# Altium PCB Velvet_Controller_V1.2_2023.PcbDoc (part 1 of 4)
Units mm, origin at the board's own origin, x right, y up, seen from the top; angles counter-clockwise.
Board outline 215.4 x 111.4 mm, 4 copper layers (Top Layer, INT1, INT2, Bottom Layer), stack 1.46 mm thick; 362 components, 218 nets, 1223 pads, 730 vias.
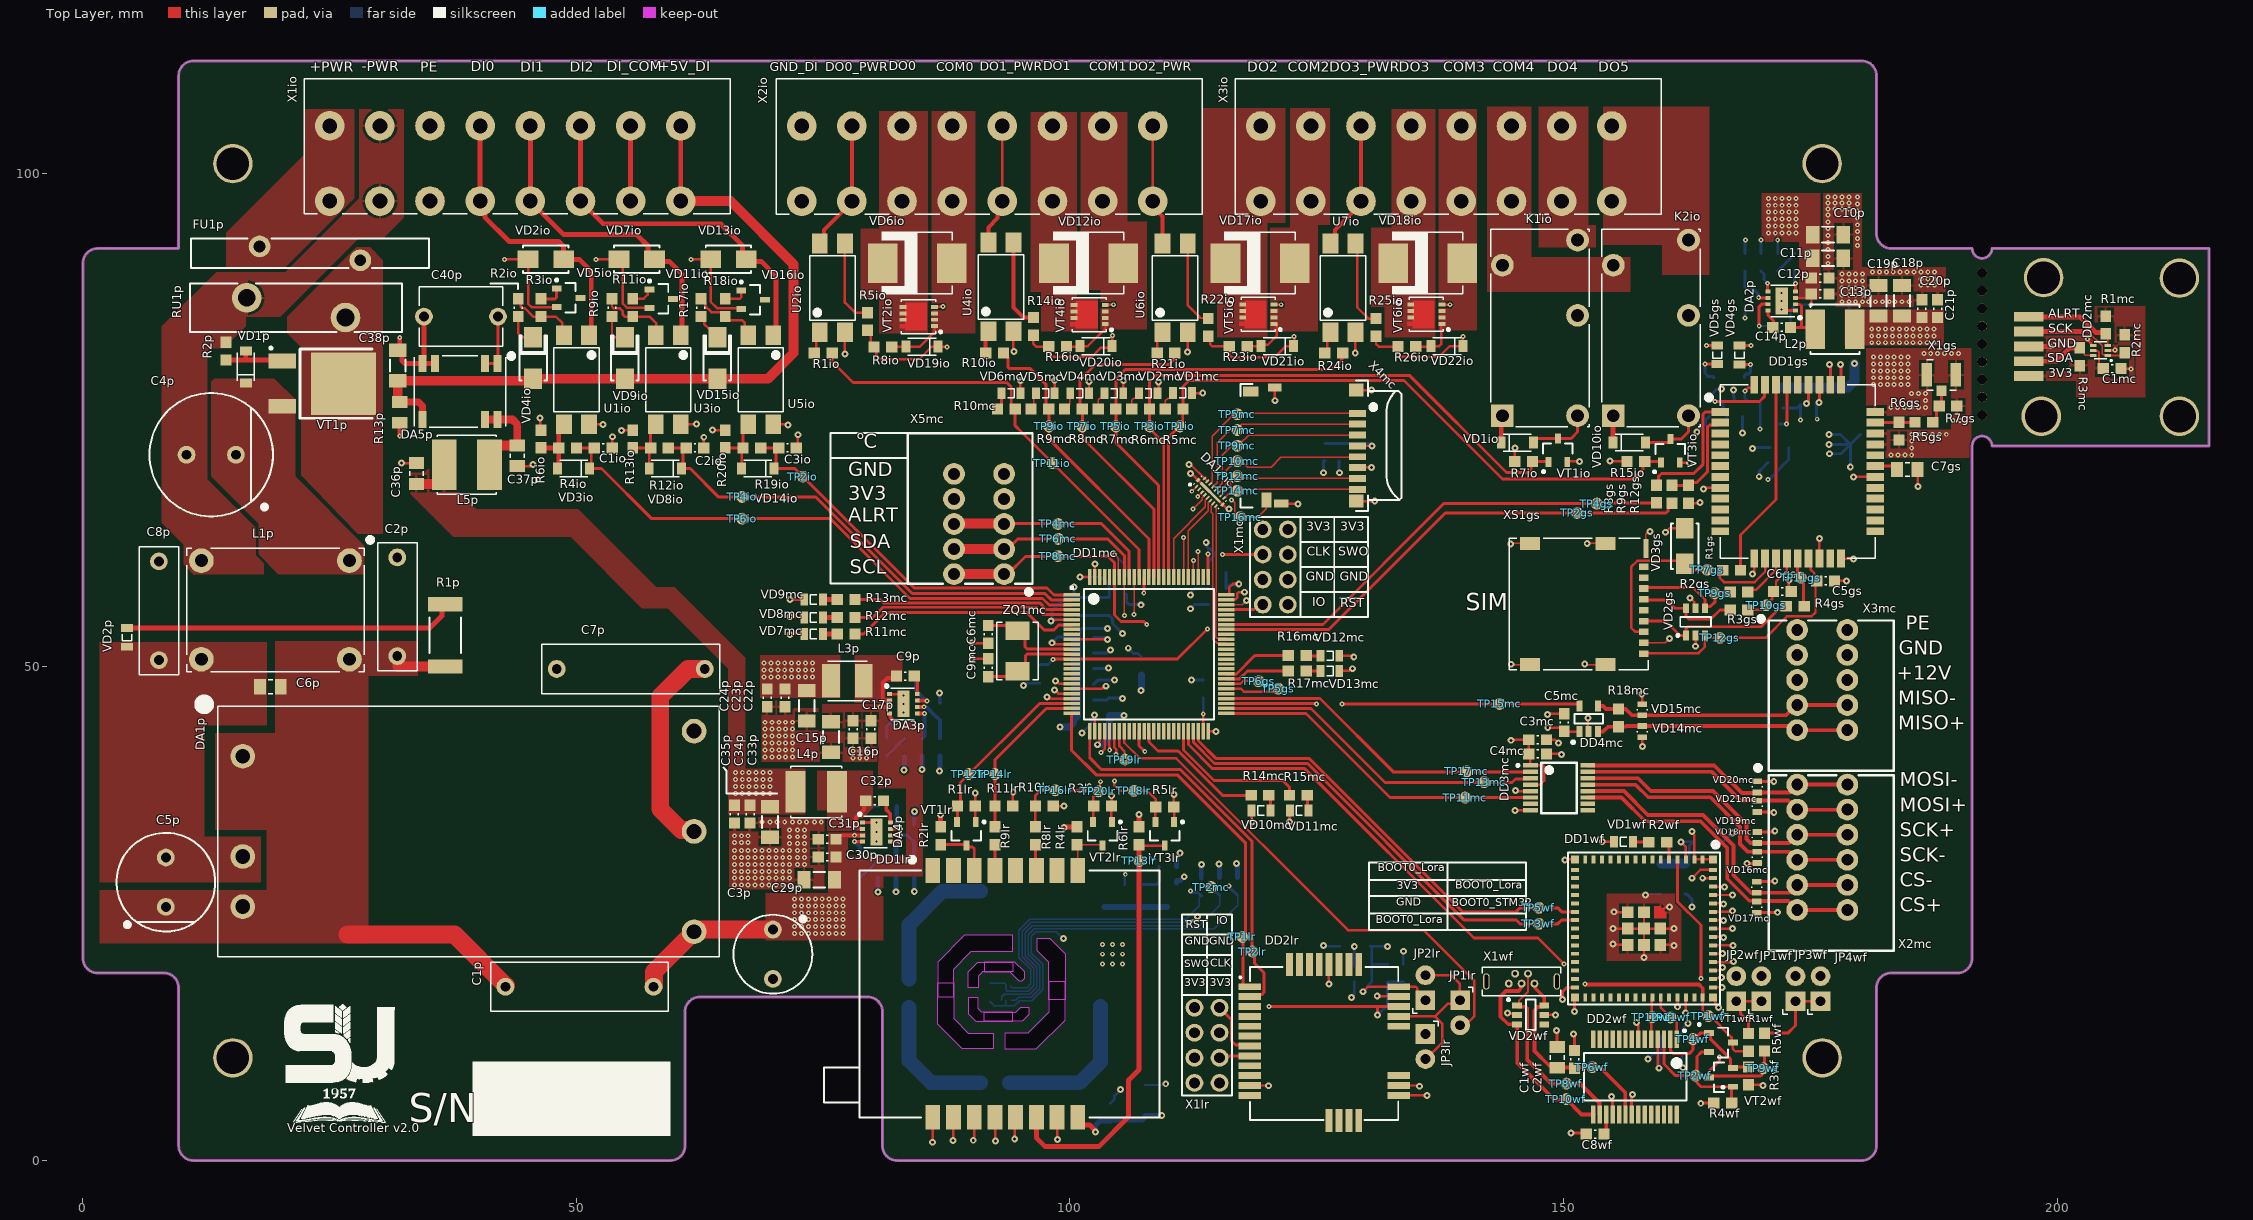
[diagram p0: Top Layer view]
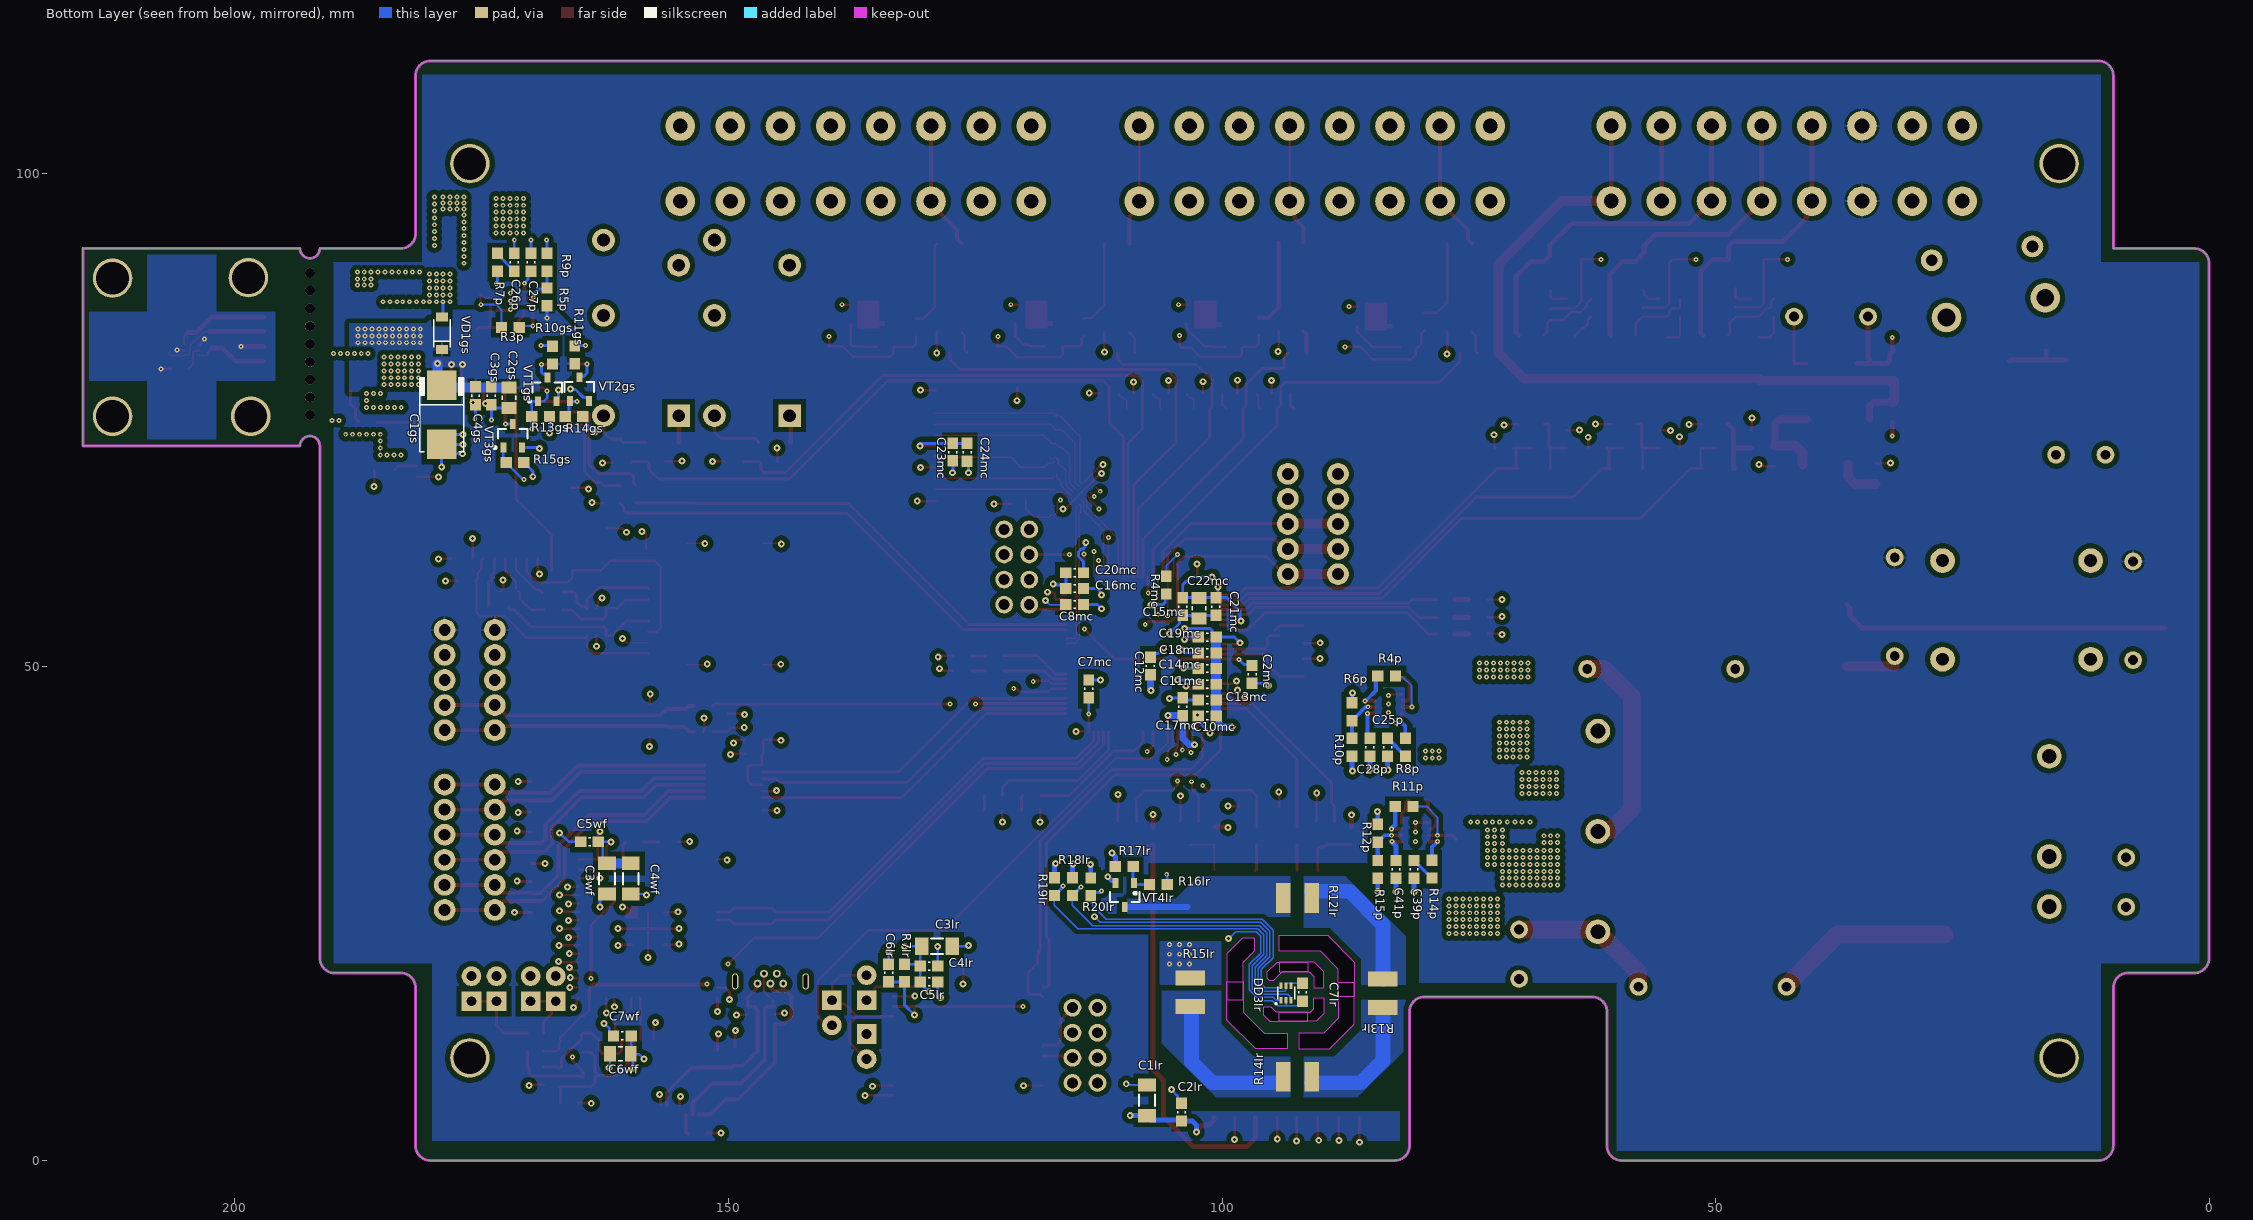
[diagram p1: Bottom Layer view, seen from below]
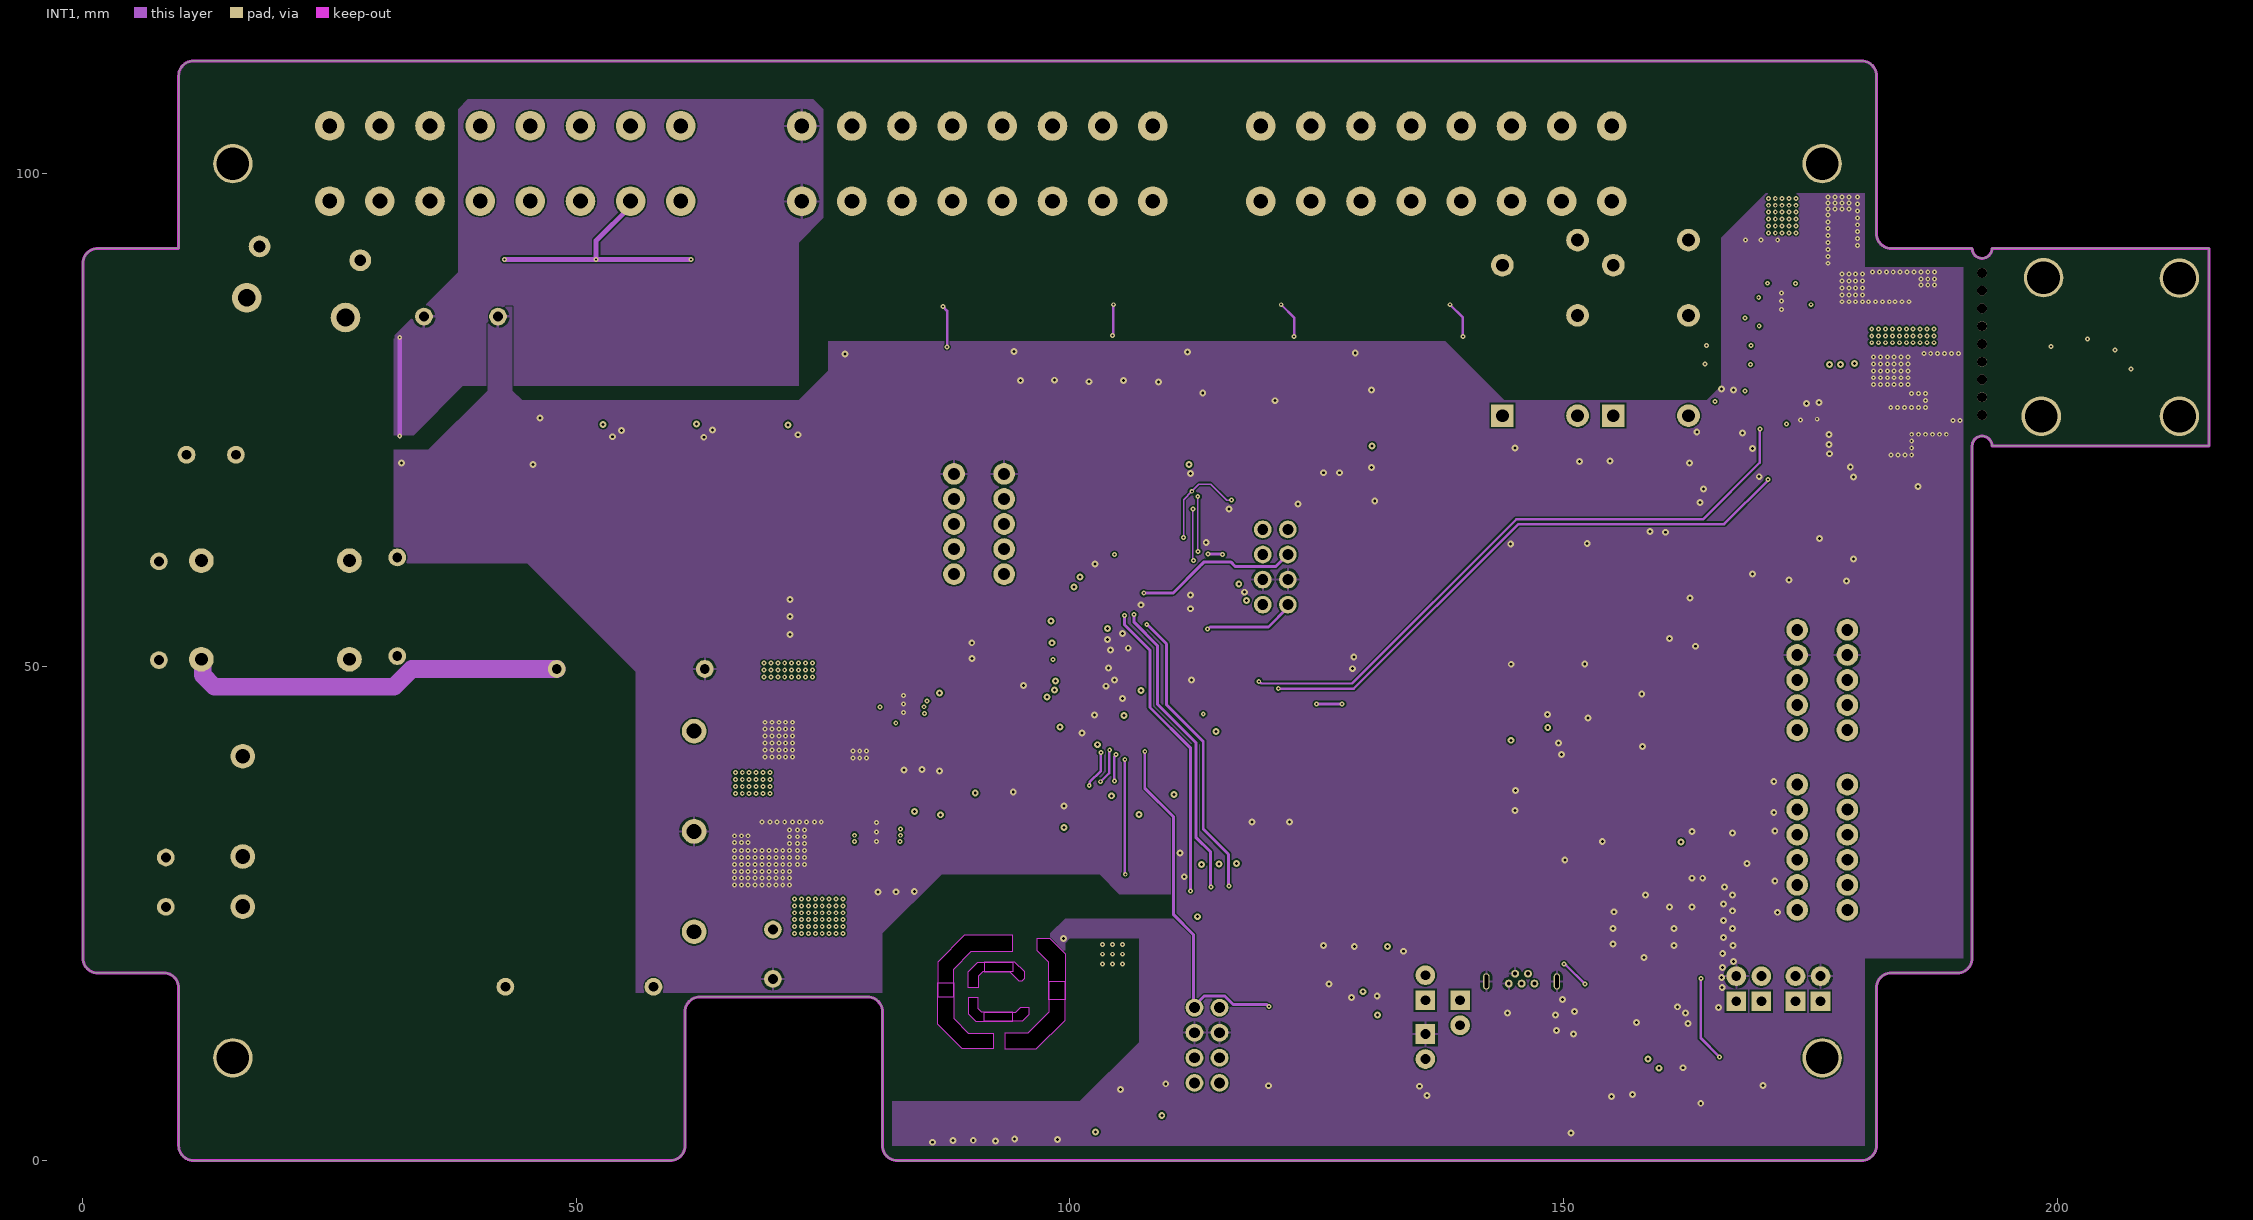
[diagram p2: INT1]
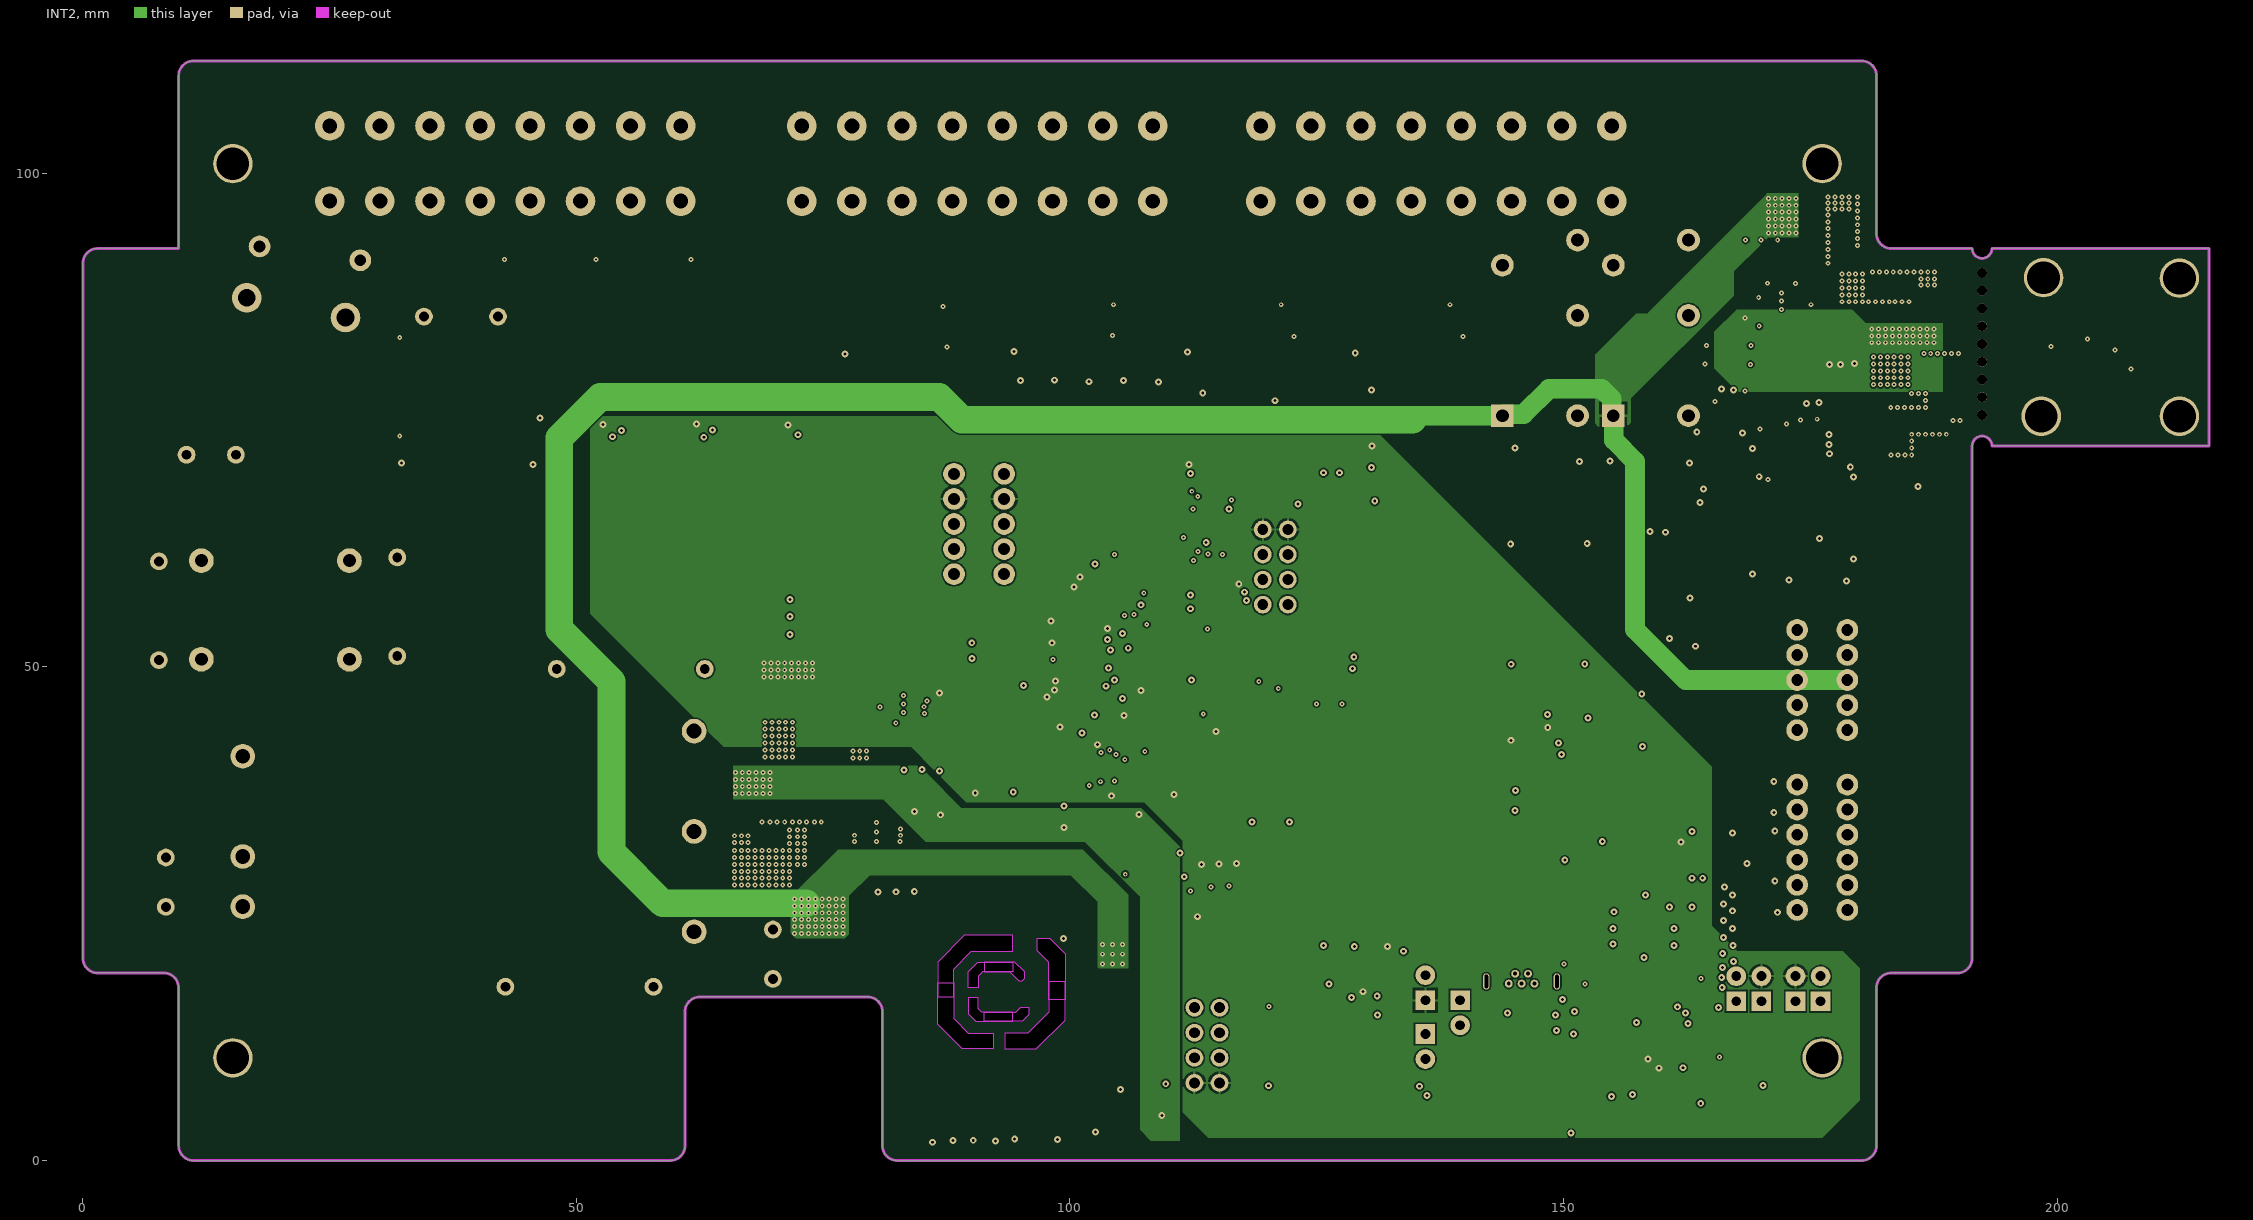
[diagram p3: INT2]

## Layer stack, top to bottom
Top Solder: solder mask 0.02, Solder Resist, Dk 3.5
Top Layer: signal copper 0.035
Dielectric 2: prepreg 0.11, PP-006, Dk 4.1
INT1: signal copper 0.035
Dielectric 1: dielectric 1.1, FR-4, Dk 4.8
INT2: signal copper 0.035
Dielectric 3: prepreg 0.11, PP-006, Dk 4.1
Bottom Layer: signal copper 0.035
Bottom Solder: solder mask 0.02, Solder Resist, Dk 3.5

## Board outline
9.7,1.5 ccw(c11.2,1.5) 11.2,0 59.5,0 ccw(c59.5,1.5) 61,1.5 61,15.075 cw(c62.5,15.075) 62.5,16.575 79.5,16.575 cw(c79.5,15.075) 81,15.075 81,1.5 ccw(c82.5,1.5) 82.5,0 180.2,0 ccw(c180.2,1.5) 181.7,1.5 181.7,17.5 cw(c183.2,17.5) 183.2,19 189.9,19 ccw(c189.9,20.5) 191.4,20.5 191.4,72.4 cw(c192.4,72.4) 193.4,72.4 215.4,72.4 215.4,92.4 193.4,92.4 cw(c192.4,92.4) 191.4,92.4 183.2,92.4 cw(c183.2,93.9) 181.7,93.9 181.7,109.9 ccw(c180.2,109.9) 180.2,111.4 11.2,111.4 ccw(c11.2,109.9) 9.7,109.9 9.7,92.4 1.5,92.4 ccw(c1.5,90.9) 0,90.9 0,20.5 ccw(c1.5,20.5) 1.5,19 8.2,19 cw(c8.2,17.5) 9.7,17.5
cut-out: 89.7,17.5 89.7,19.1 90.675,20.075 94.2,20.075 94.2,19.1 91.15,19.1 90.7,18.65 90.7,17.5
cut-out: 95.15,18.2 95.4,18.45 95.4,19.1 94.425,20.075 91.3,20.075 91.3,19.1 93.9,19.1 94.8,18.2
cut-out: 95.8,15.525 95.8,14.75 95.15,14.1 91.3,14.1 91.3,15.025 94.525,15.025 95.025,15.525
cut-out: 96.675,22.5 97.925,22.5 99.5,20.925 99.5,16.3 97.825,16.3 97.825,20.1 96.675,21.25
cut-out: 94.225,22.8 89.3,22.8 86.6,20.1 86.6,16.6 88.2,16.6 88.2,19.4 90,21.2 94.225,21.2
cut-out: 89.7,16.5 89.7,14.85 90.45,14.1 94.2,14.1 94.2,15.025 91.075,15.025 90.7,15.4 90.7,16.5
cut-out: 93.4,11.3 96.6,11.3 99.5,14.2 99.5,18.1 97.825,18.1 97.825,15.025 95.7,12.9 93.4,12.9
cut-out: 92.2,11.3 89.1,11.3 86.6,13.8 86.6,18 88.2,18 88.2,14.4 89.7,12.9 92.2,12.9

## Design rules (kind name [scope] priority, off if disabled: settings)
Clearance Bottom_Poly_Clearance [OnLayer('Bottom Layer')] p1: gap=0.15 ignorepadtopadclearanceinfootprint=FALSE except(0.5: Arc-Fill Arc-Poly Arc-Region Track-Fill Track-Poly Track-Region SMDPad-Fill SMDPad-Poly SMDPad-Region THPad-Fill THPad-Poly THPad-Region Via-Fill Via-Poly Via-Region Fill-Fill Fill-Poly Fill-Region Poly-Poly Poly-Region Region-Region)
Clearance [All] p2: gap=0.15 ignorepadtopadclearanceinfootprint=FALSE
ComponentClearance "Battery holder" [All] p1: gap=-20 collisioncheckmode=3 verticalgap=-20 showdistances=FALSE
ComponentClearance Inductor [InComponent('L1or')] p2: gap=-2 collisioncheckmode=3 verticalgap=-2 showdistances=FALSE
ComponentClearance "Terminal block" [InComponent('X1or')] p3: gap=-1 collisioncheckmode=3 verticalgap=-1 showdistances=FALSE
ComponentClearance [All] p4: gap=0.25 collisioncheckmode=3 verticalgap=0.25 showdistances=FALSE
DiffPairsRouting [All] p1: maxlimit=0.25 minlimit=0.15 mostfreqgap=0.25 toplayer_minwidth=0.15 toplayer_maxwidth=0.254 toplayer_prefwidth=0.254 midlayer1_minwidth=0.15 midlayer1_maxwidth=0.254 midlayer1_prefwidth=0.254 midlayer2_minwidth=0.15 midlayer2_maxwidth=0.254 midlayer2_prefwidth=0.254 bottomlayer_minwidth=0.15 bottomlayer_maxwidth=0.254 bottomlayer_prefwidth=0.254 maxuncoupledlength=12.7
Height [All] p1: minheight=0 maxheight=45 prefheight=12.7
HoleSize [All] p1: absolutevalues=TRUE maxlimit=8 minlimit=0.2 maxpercent=80.000 minpercent=20.000
HoleToHoleClearance [All] p1: gap=0.249 allowstackedmicrovias=TRUE
MinimumAnnularRing [All] p1: minimumring=0
MinimumSolderMaskSliver AP63357QVS [HasFootprint('AP63357QZV-7-Footprint-1')] p1: minsoldermaskwidth=0
MinimumSolderMaskSliver Jumper [HasFootprint('JUMPER-Footprint-1')] p2: minsoldermaskwidth=0
MinimumSolderMaskSliver VQFN [HasFootprint('VQFN-24 4x4 P0.5 EP-2.45x2.45')] p3: minsoldermaskwidth=0.01
MinimumSolderMaskSliver TSSOP_3 [HasFootprint('TSOP65P490X110_HS-13N')] p4: minsoldermaskwidth=0.09
MinimumSolderMaskSliver TSSOP_2 [HasFootprint('TSOP65P640X110_HS-17N')] p5: minsoldermaskwidth=0.09
MinimumSolderMaskSliver TSSOP_1 [HasFootprint('MCHP-TSSOP-ST14_V')] p6: minsoldermaskwidth=0.05
MinimumSolderMaskSliver VQFN20 [HasFootprint('VQFN-20 + EP')] p7: minsoldermaskwidth=0.01
NetAntennae Jumpers [HasFootprint('JUMPER-Footprint-1')] p1: netantennaetolerance=3
NetAntennae [All] p2: netantennaetolerance=0
PasteMaskExpansion [All] p1: expansion=0.102
PlaneClearance [All] p1: clearance=0.381
PlaneConnect [All] p1: pad.planeconnectstyle=Relief pad.reliefexpansion=0.508 pad.reliefentries=4 pad.reliefconductorwidth=0.254 pad.reliefairgap=0.254 via.planeconnectstyle=Direct via.reliefexpansion=0.508 via.reliefentries=4 via.reliefconductorwidth=0.254 via.reliefairgap=0.254
PolygonConnect Direct [InPolygonClass('direct')] p1: connectstyle=Direct reliefconductorwidth=0.254 reliefentries=4 polygonreliefangle="90 Angle" airgapwidth=0.254
PolygonConnect [All] p2: thpad.connectstyle=Relief thpad.reliefconductorwidth=0.254 thpad.reliefentries=4 thpad.polygonreliefangle="90 Angle" thpad.airgapwidth=0.254 smdpad.connectstyle=Relief smdpad.reliefconductorwidth=0.254 smdpad.reliefentries=4 smdpad.polygonreliefangle="90 Angle" smdpad.airgapwidth=0.254 via.connectstyle=Direct via.reliefconductorwidth=0.254 via.reliefentries=4 via.polygonreliefangle="90 Angle" via.airgapwidth=0.254
RoutingCorners [All] p1: cornerstyle=45-Degree minsetback=2.5 maxsetback=2.5
RoutingVias [All] p1: holewidth=0.3 width=0.7 viastyle="Through Hole" minholewidth=0.2 minwidth=0.5 maxholewidth=2 maxwidth=5 viatemplateguid#1={A7528555-C60C-4322-A57E-4F6B55D55ADB} viatemplatename#1=v70h30m0mx0
SMDEntry [All] p1: side=TRUE corner=FALSE anyangle=TRUE
SMDNeckDown [All] p1: percent=100.000
SilkToSilkClearance [All] p1: silktosilkclearance=0.099
SilkToSolderMaskClearance dcdc5V [InComponent('DA1s5')] p1: minsilkscreentomaskgap=0 clearancetoexposedcopper=TRUE
SilkToSolderMaskClearance [IsPad] p2: minsilkscreentomaskgap=0.124 clearancetoexposedcopper=TRUE
SolderMaskExpansion [IsVia And InLayerClass('All Layers')] p1: expansion=0.102 istentingtop=TRUE
Width [All] p1: maxlimit=10 minlimit=0.15 preferedwidth=0.25
17 further rules are at their usual default settings.

## Classes and differential pairs
polygon class direct: +3.3V_L01_P048 +4V_L01_P056 +5V_L01_P047 +12V_L01_P035 +12V_L01_P053 +12V_L04_P043 +PWR_L01_P022 -PWR_L01_P024 -PWR_L01_P030 DO0_L01_P013 DO1_L01_P014 DO2_L01_P015 DO3_L01_P020 DO4_L01_P006 DO5_L01_P007 DO_COM0_L01_P012 DO_COM1_L01_P009 DO_COM2_L01_P011 DO_COM3_L01_P019 DO_COM4_L01_P005 NETC1P_1_L01_P032 NETC4P_1_L01_P029 NETC5P_2_L01_P031 NETC9P_2_L01_P049 NETC32P_2_L01_P046 NETFU1P_2_L01_P025 NETR12LR_1_L04_P042 NETR12LR_2_L04_P039 NETR13LR_2_L04_P040 NETR14LR_2_L04_P041
component class "Схема питания Velvet Controller": C1p C2p C3p C4p C5p C6p C7p C8p C9p C10p C11p C12p C13p C14p C15p C16p C17p C18p C19p C20p C21p C22p C23p C24p C25p C26p C27p C28p C29p C30p C31p C32p C33p C34p C35p C36p C37p C38p C39p C40p C41p DA1p DA2p DA3p DA4p DA5p FU1p L1p L2p L3p L4p L5p R1p R2p R3p R4p R5p R6p R7p R8p R9p R10p R11p R12p R13p R14p R15p RU1p VD1p VD2p VT1p
component class "Схема дискретных входов и выходов": C1io C2io C3io K1io K2io R1io R2io R3io R4io R5io R6io R7io R8io R9io R10io R11io R12io R13io R14io R15io R16io R17io R18io R19io R20io R21io R22io R23io R24io R25io R26io TP1io TP2io TP3io TP4io TP5io TP6io TP7io TP9io TP11io U1io U2io U3io U4io U5io U6io U7io VD1io VD2io VD3io VD4io VD5io VD6io VD7io VD8io VD9io VD10io VD11io VD12io VD13io VD14io VD15io VD16io VD17io VD18io VD19io VD20io VD21io VD22io VT1io VT2io VT3io VT4io VT5io VT6io X1io X2io X3io
component class "Схема МК и датчиков Velvet Controller": C1mc C2mc C3mc C4mc C5mc C6mc C7mc C8mc C9mc C10mc C11mc C12mc C13mc C14mc C15mc C16mc C17mc C18mc C19mc C20mc C21mc C22mc C23mc C24mc DA1mc DD1mc DD2mc DD3mc DD4mc R1mc R2mc R3mc R4mc R5mc R6mc R7mc R8mc R9mc R10mc R11mc R12mc R13mc R14mc R15mc R16mc R17mc R18mc TP2mc TP4mc TP5mc TP6mc TP7mc TP8mc TP9mc TP10mc TP11mc TP12mc TP13mc TP14mc TP15mc TP16mc TP17mc VD1mc VD2mc VD3mc VD4mc VD5mc VD6mc VD7mc VD8mc VD9mc VD10mc VD11mc VD12mc VD13mc VD14mc VD15mc VD16mc VD17mc VD18mc VD19mc VD20mc VD21mc X1mc X2mc X3mc X4mc X5mc ZQ1mc
component class "Схема Wi-Fi Velvet Controller": ANT1wf C1wf C2wf C3wf C4wf C5wf C6wf C7wf C8wf DD1wf DD2wf JP1wf JP2wf JP3wf JP4wf R1wf R2wf R3wf R4wf R5wf TP1wf TP2wf TP3wf TP4wf TP5wf TP6wf TP8wf TP9wf TP10wf TP11wf TP12wf VD1wf VD2wf VT1wf VT2wf X1wf
component class "Схема LoRa и RFID Velvet Controller": ANT1lr ANT2lr C1lr C2lr C3lr C4lr C5lr C6lr C7lr DD1lr DD2lr DD3lr JP1lr JP2lr JP3lr R1lr R2lr R3lr R4lr R5lr R6lr R7lr R8lr R9lr R10lr R11lr R12lr R13lr R14lr R15lr R16lr R17lr R18lr R19lr R20lr TP1lr TP2lr TP12lr TP13lr TP14lr TP16lr TP18lr TP19lr TP20lr VT1lr VT2lr VT3lr VT4lr X1lr
component class "Схема GSM Velvet Controller": C1gs C2gs C3gs C4gs C5gs C6gs C7gs DD1gs R1gs R2gs R3gs R4gs R5gs R6gs R7gs R8gs R9gs R10gs R11gs R12gs R13gs R14gs R15gs TP2gs TP4gs TP5gs TP6gs TP7gs TP9gs TP10gs TP11gs TP12gs VD1gs VD2gs VD3gs VD4gs VD5gs VT1gs VT2gs VT3gs X1gs X2gs XS1gs
differential pair LVDS_ADC_SCK: +LVDS_ADC_SCK_P -LVDS_ADC_SCK_N
differential pair LVDS_ADC_MISO: +LVDS_ADC_MISO_P -LVDS_ADC_MISO_N
differential pair LVDS_ADC_CS: +LVDS_ADC_CS_P -LVDS_ADC_CS_N
differential pair LVDS_ADC_MOSI: +LVDS_ADC_MOSI_P -LVDS_ADC_MOSI_N

## Components (designator, comment, footprint, x,y, rotation, side; value= is the part's Value field where it differs from the comment)
C1gs "TPSD107M010R0050" "CAP 2917 (D)" 179.05,75.55 r270 bottom locked
C1io "CL10B103KB8NNNC" "CAP 0603 IPC MAX" 52.71,72.2 r0 top locked
C1lr "CL31B106KAHNNNE" "CAP 1206 IPC MAX" 107.6,6.1 r90 bottom locked
C1mc "GCM188R71H104KA57D" "CAP 0603 IPC MAX" 205.575,80.225 r0 top locked
C1p "B32672L8122J000" "CAP RADIAL L18.0 W5.0 H10.5 P15.0" 50.3,17.6 r0 top locked
C1wf "CL21A475KBQNNNE" "CAP 0805 IPC MAX" 149.35,10.45 r90 top
C2gs "CL21A475KBQNNNE" "CAP 0805 IPC MAX" 172.225,77.275 r270 bottom locked
C2io "CL10B103KB8NNNC" "CAP 0603 IPC MAX" 62.01,72.2 r0 top locked
C2lr "TMK107BJ105KA-T" "CAP 0603 IPC MAX" 104.1,4.9 r90 bottom locked
C2mc "GCM188R71H104KA57D" "CAP 0603 IPC MAX" 96.95,49.25 r270 bottom locked
C2p "R474F147050A1M" "CAP RADIAL L13.0 W4.0 H9.1 P10.0" 31.85,56.1 r270 top locked
C2wf "GCM188R71H104KA57D" "CAP 0603 IPC MAX" 151.125,10.25 r90 top
C3gs "C0603C330J5GAC7867" "CAP 0603 IPC MAX" 174.025,77.475 r270 bottom locked
C3io "CL10B103KB8NNNC" "CAP 0603 IPC MAX" 71.38,72.2 r0 top locked
C3lr "CL31B106KAHNNNE" "CAP 1206 IPC MAX" 128.88,21.701 r180 bottom locked
C3mc "GCM188R71H102KA37D" "CAP 0603 IPC MAX" 147.375,42.625 r0 top locked
C3p "ECA-1HM101B" "CAP RADIAL D8.0 L12.0 P5.0" 69.9,20.9 r270 top locked
C3wf "CL31B106KAHNNNE" "CAP 1206 IPC MAX" 162.3,28.55 r270 bottom locked
C4gs "CC0603JRNPO9BN100" "CAP 0603 IPC MAX" 175.625,77.475 r270 bottom locked
C4lr "TMK107BJ105KA-T" "CAP 0603 IPC MAX" 129.68,19.701 r180 bottom locked
C4mc "GCM188R71H104KA57D" "CAP 0603 IPC MAX" 147.375,41.2 r0 top locked
C4p "50PX680MEFC12.5X20" "CAP RADIAL D12.5 L20.0 P5.0" 13,71.5 r180 top locked
C4wf "CL31B106KAHNNNE" "CAP 1206 IPC MAX" 159.9,28.55 r270 bottom locked
C5gs "GCM188R71H104KA57D" "CAP 0603 IPC MAX" 176.55,58.725 r0 top locked
C5lr "GCM188R71H104KA57D" "CAP 0603 IPC MAX" 129.68,18.101 r180 bottom locked
C5mc "CL10B103KB8NNNC" "CAP 0603 IPC MAX" 150.075,44.375 r90 top locked
C5p "ECA-1HM331B" "CAP RADIAL D10.0 L17,0 P5.0 - duplicate" 8.4,28.2 r90 top locked
C5wf "GCM188R71H104KA57D" "CAP 0603 IPC MAX" 164.075,32.3 r0 bottom locked
C6gs "CC0603JRNPO9BN220" "CAP 0603 IPC MAX" 172.175,57.65 r0 top locked
C6lr "GCM188R71H104KA57D" "CAP 0603 IPC MAX" 133.78,19.001 r90 bottom locked
C6mc "CC0603JRNPO9BN220" "CAP 0603 IPC MAX" 91.725,53.3 r90 top locked
C6p "CL21A475KBQNNNE" "CAP 0805 IPC MAX" 19,48 r180 top locked
C6wf "CL21A475KBQNNNE" "CAP 0805 IPC MAX" 160.95,10.825 r0 bottom
C7gs "CL21A475KBQNNNE" "CAP 0805 IPC MAX" 184.825,70 r0 top locked
C7lr "GCM188R71H104KA57D" "CAP 0603 IPC MAX" 91.85,17.05 r270 bottom locked
C7mc "GRM188R61E225KA12D" "CAP 0603 IPC MAX" 113.5,47.775 r90 bottom locked
C7p "B32672L8122J000" "CAP RADIAL L18.0 W5.0 H10.5 P15.0" 55.5,49.8 r0 top locked
C7wf "GCM188R71H104KA57D" "CAP 0603 IPC MAX" 160.75,12.625 r0 bottom
C8mc "GRM188R61E225KA12D" "CAP 0603 IPC MAX" 114.925,56.325 r180 bottom locked
C8p "R474F147050A1M" "CAP RADIAL L13.0 W4.0 H9.1 P10.0" 7.7,55.7 r90 top locked
C8wf "TMK107BJ105KA-T" "CAP 0603 IPC MAX" 153.2,2.675 r180 top
C9mc "CC0603JRNPO9BN220" "CAP 0603 IPC MAX" 91.725,49.925 r270 top locked
C9p "GCM188R71H104KA57D" "CAP 0603 IPC MAX" 83.325,49.069 r180 top locked
C10mc "TMK107BJ105KA-T" "CAP 0603 IPC MAX" 101.5,45.05 r0 bottom locked
C10p "CL31B106KAHNNNE" "CAP 1206 IPC MAX" 176.8,93.8 r0 top locked
C11mc "TMK107BJ105KA-T" "CAP 0603 IPC MAX" 101.5,48.25 r0 bottom locked
C11p "CL31B106KAHNNNE" "CAP 1206 IPC MAX" 176.8,91.4 r0 top locked
C12mc "GRM188R61E225KA12D" "CAP 0603 IPC MAX" 107.25,50.1 r90 bottom locked
C12p "TMK107BJ105KA-T" "CAP 0603 IPC MAX" 176,89.4 r0 top locked
C13mc "CL10B103KB8NNNC" "CAP 0603 IPC MAX" 101.5,46.65 r0 bottom locked
C13p "GCM188R71H104KA57D" "CAP 0603 IPC MAX" 176,87.8 r0 top locked
C14mc "CL10B103KB8NNNC" "CAP 0603 IPC MAX" 101.5,49.85 r0 bottom locked
C14p "GCM188R71H104KA57D" "CAP 0603 IPC MAX" 172.1,84.4 r0 top locked
C15mc "GCM188R71H104KA57D" "CAP 0603 IPC MAX" 103.975,56.125 r270 bottom locked
C15p "CL31B106KAHNNNE" "CAP 1206 IPC MAX" 75.8,42.9 r270 top locked
C16mc "GCM188R71H104KA57D" "CAP 0603 IPC MAX" 114.925,57.95 r180 bottom locked
C16p "TMK107BJ105KA-T" "CAP 0603 IPC MAX" 78.025,43.669 r270 top locked
C17mc "GCM188R71H104KA57D" "CAP 0603 IPC MAX" 103.975,45.975 r90 bottom locked
C17p "GCM188R71H104KA57D" "CAP 0603 IPC MAX" 79.825,43.669 r270 top locked
C18mc "GCM188R71H104KA57D" "CAP 0603 IPC MAX" 101.5,51.425 r0 bottom locked
C18p "CL31B106KAHNNNE" "CAP 1206 IPC MAX" 184.3,87.1 r90 top locked